# KiCad board SparkFun_GNSS_Flex_Breakout_panelized.kicad_pcb (continued)
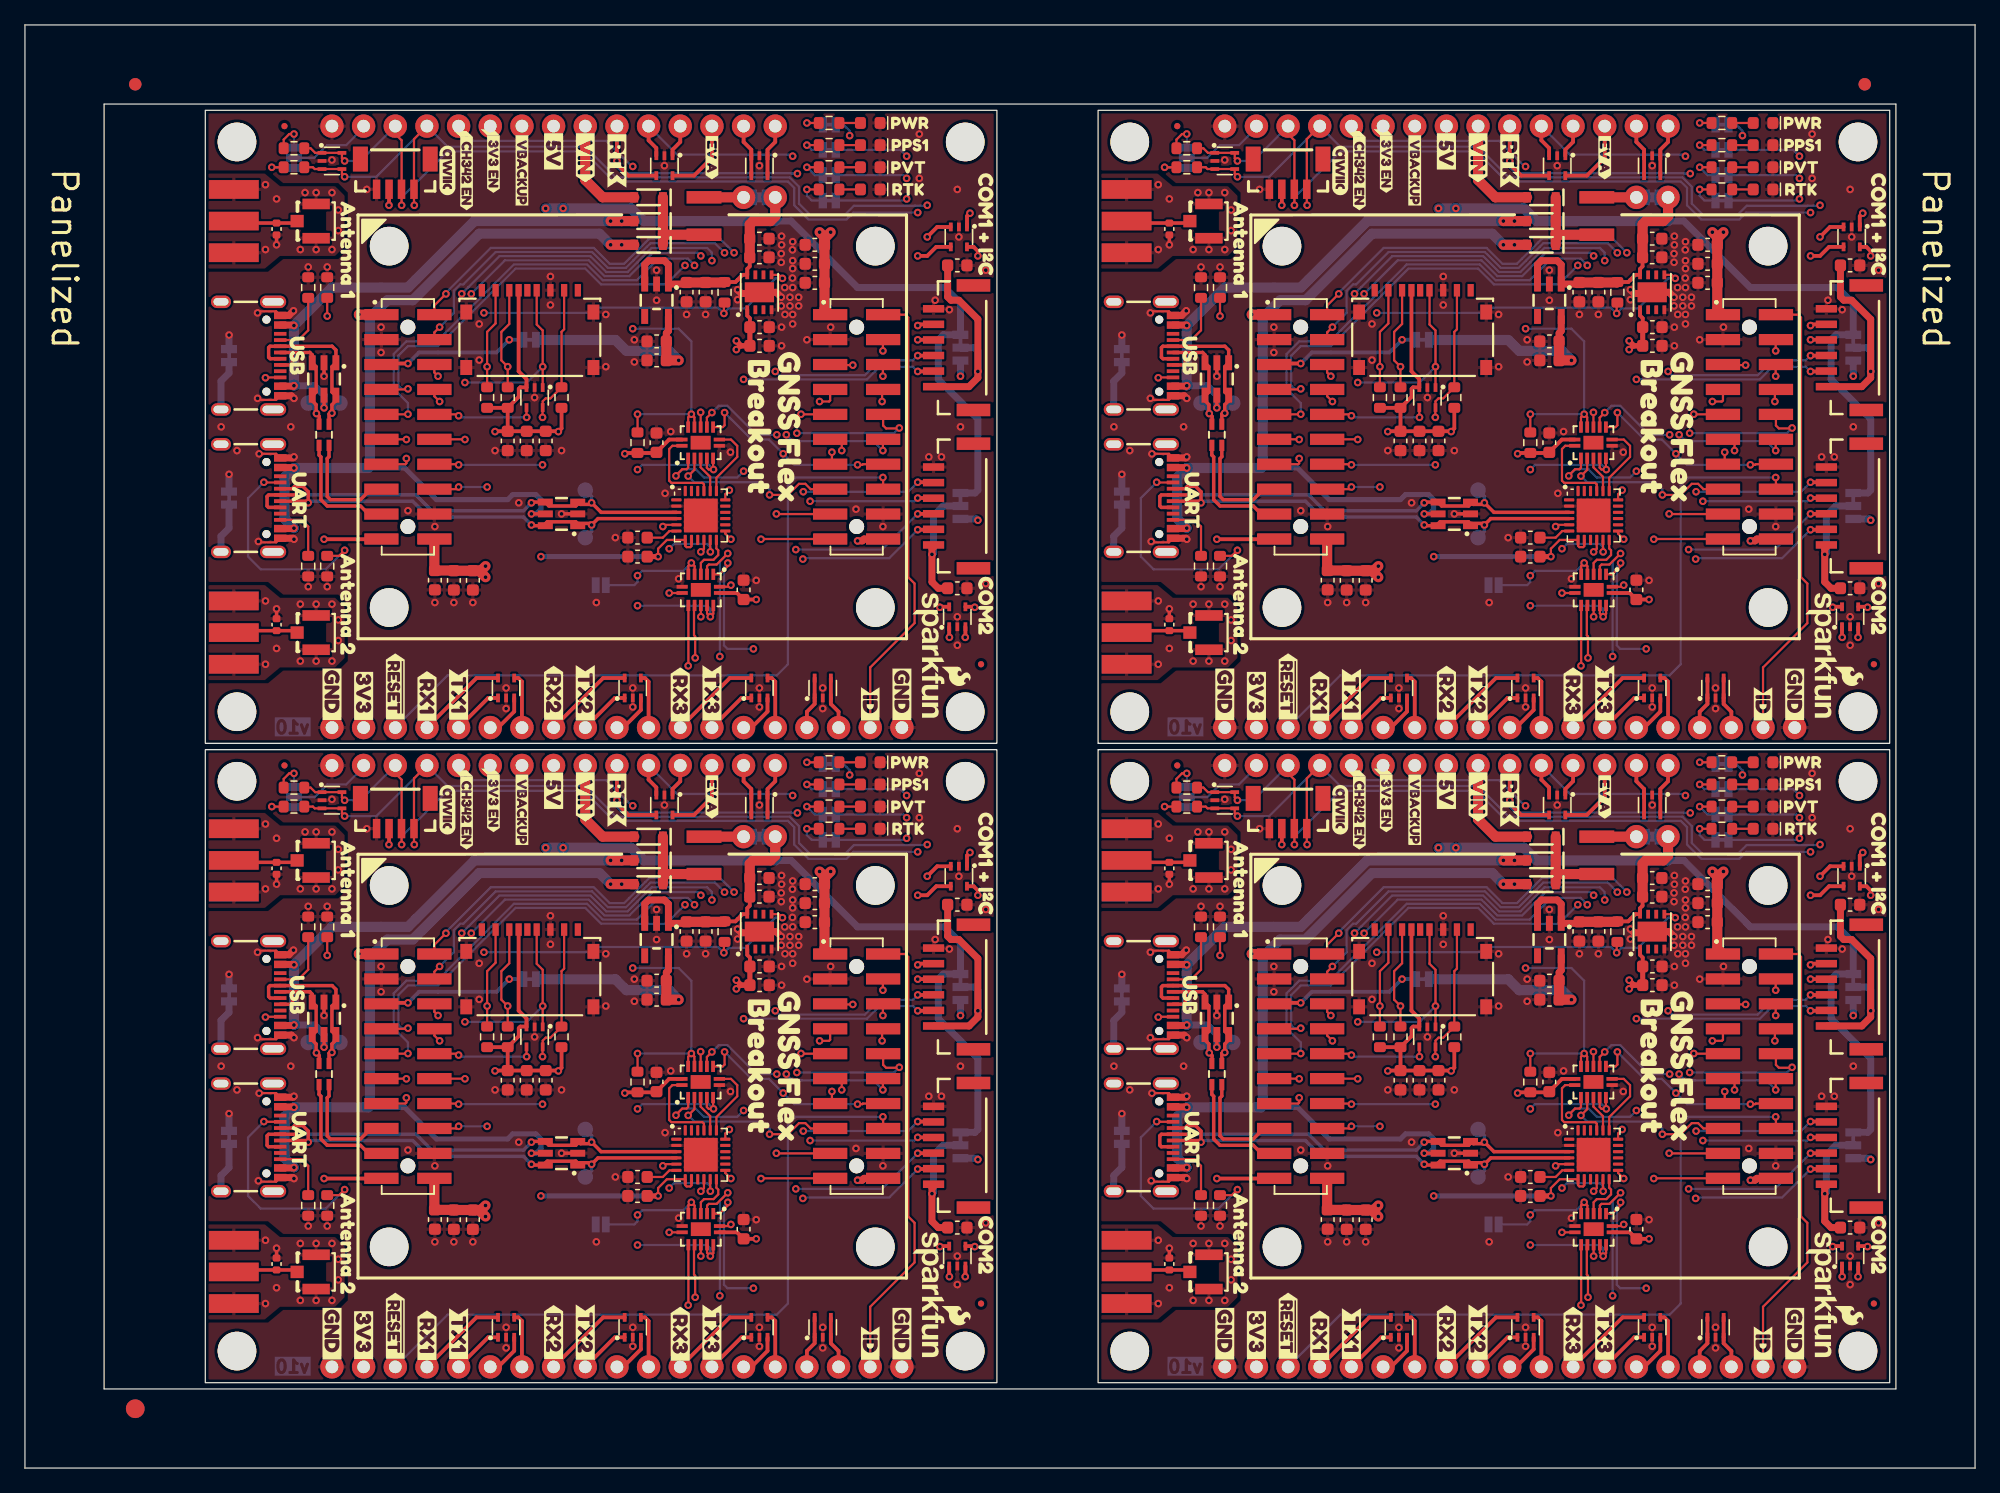
[diagram p0: board, top side]
## Routing (per net, layer and track width the routed paths; a pad name or vN(x,y) marks a point on that pad's centre or on a via; arc(x,y) is an arc through that point) (continued)
USB2_D-: length 152.6
  Top w0.278: J7.A7 22.59,77.59 v1(22.73,77.45) 22.73,78.34 22.29,78.78 21.64,78.78 21.44,78.59 J7.B7 ; U2#3.4 117.59,76.19 v1(117.08,75.68) 116.95,75.8 116.06,75.8 115.97,75.71 D17#4.1 115.97,75.77 115.81,75.93 113.52,75.93 113.36,75.77 D17#4.6 112.31,75.62 v1(112.25,75.68) ; U2#2.4 117.59,24.89 v1(117.08,24.38) 116.95,24.5 116.06,24.5 115.97,24.41 D17#3.1 115.97,24.47 115.81,24.63 113.52,24.63 113.36,24.47 D17#3.6 112.31,24.31 v1(112.25,24.38) ; J7#2.A7 22.59,26.28 v1(22.73,26.15) 22.73,27.04 22.29,27.48 21.64,27.48 21.44,27.28 J7#2.B7 ; J7#4.A7 94.21,77.59 v1(94.34,77.45) 94.34,78.34 93.91,78.78 93.26,78.78 93.06,78.59 J7#4.B7 ; v1(40.63,75.68) 40.69,75.62 D17#2.6 41.74,75.77 41.9,75.93 44.19,75.93 44.35,75.77 D17#2.1 44.35,75.71 44.44,75.8 45.33,75.8 v1(45.46,75.68) 45.97,76.19 U2#4.4 ; J7#3.B7 93.06,27.28 93.26,27.48 93.91,27.48 94.34,27.04 v1(94.34,26.15) 94.21,26.28 J7#3.A7 ; U2.4 45.97,24.89 v1(45.46,24.38) 45.33,24.5 44.44,24.5 44.35,24.41 D17.1 44.35,24.47 44.19,24.63 41.9,24.63 41.74,24.47 D17.6 40.69,24.31 v1(40.63,24.38)
  Bottom w0.278: v1(112.25,75.68) 111.62,76.31 104,76.31 102.73,77.58 94.47,77.58 v1(94.34,77.45) ; v1(117.08,75.68) 117.08,75.17 TP12#3.1 ; v1(22.73,77.45) 22.85,77.58 31.11,77.58 32.38,76.31 40,76.31 v1(40.63,75.68) ; v1(40.63,24.38) 40,25.01 32.38,25.01 31.11,26.28 22.85,26.28 v1(22.73,26.15) ; v1(117.08,24.38) 117.08,23.87 TP12.1 ; TP12#4.1 45.46,23.87 v1(45.46,24.38) ; v1(94.34,26.15) 94.47,26.28 102.73,26.28 104,25.01 111.62,25.01 v1(112.25,24.38) ; TP12#2.1 45.46,75.17 v1(45.46,75.68)
VBACKUP: length 119.2
  Top w0.305: v1(102.35,37.33) 100.3,37.33 J11#2.5 ; v1(30.73,88.63) 28.68,88.63 J11#4.5 ; v1(30.73,37.33) 28.68,37.33 J11.5 ; J11#3.5 100.3,88.63 v1(102.35,88.63)
  L3.Cu w0.305: J3.7 39.87,40.25 v1(38.85,39.23) ; J3#3.7 111.49,91.55 v1(110.47,90.53) ; v1(38.85,90.53) 39.87,91.55 J3#4.7 ; v1(110.47,39.23) 111.49,40.25 J3#2.7
  Bottom w0.305: 111.62,90.52 111.61,90.53 v1(110.47,90.53) 109.46,89.52 103.24,89.52 v1(102.35,88.63) ; v1(30.73,88.63) 31.62,89.52 37.84,89.52 v1(38.85,90.53) 39.99,90.53 40,90.52 ; 40,39.22 39.99,39.23 v1(38.85,39.23) 37.84,38.22 31.62,38.22 v1(30.73,37.33) ; v1(102.35,37.33) 103.24,38.22 109.46,38.22 v1(110.47,39.23) 111.61,39.23 111.62,39.22
VUSB1: length 234.5
  Top w0.278: D21#2.5 v1(24,85.07) ; D21.5 v1(95.62,33.77) ; D21#4.5 v1(24,33.77) ; D21#3.5 v1(95.62,85.07)
  Top w0.305: v1(95.62,74.53) 100.2,74.53 J11#3.19 ; J11.19 28.58,23.23 v1(24,23.23) ; v1(24,74.53) 28.58,74.53 J11#4.19 ; v1(95.62,23.23) 100.2,23.23 J11#2.19
  Top w0.559: J10.VBUS 93.16,35.52 v1(93.2,35.55) ; v1(21.58,40.38) 21.55,40.42 J10#2.VBUS ; v1(93.2,40.38) 93.16,40.42 J10.VBUS ; v1(21.58,91.68) 21.55,91.72 J10#4.VBUS ; v1(21.58,86.85) 21.55,86.81 J10#4.VBUS ; v1(93.2,86.85) 93.16,86.81 J10#3.VBUS ; J10#3.VBUS 93.16,91.72 v1(93.2,91.68) ; v1(21.58,35.55) 21.55,35.52 J10#2.VBUS
  Top w0.813: v1(118.6,100.06) v1(119.49,100.06) D18#2.2 ; v1(46.98,100.06) v1(47.87,100.06) D18#4.2 ; D18#3.2 v1(47.87,48.76) v1(46.98,48.76) ; v1(118.6,48.76) v1(119.49,48.76) D18.2
  L3.Cu w0.278: v1(95.62,33.77) v1(95.62,23.23) ; v1(24,33.77) v1(24,23.23) ; v1(95.62,85.07) v1(95.62,74.53) ; v1(24,85.07) v1(24,74.53)
  Bottom w0.559: v1(93.2,86.85) 94.85,86.85 D21#3.5 v1(95.62,85.07) ; v1(95.62,33.77) D21.5 94.85,35.55 v1(93.2,35.55) ; v1(24,33.77) D21#4.5 23.23,35.55 v1(21.58,35.55) ; v1(24,85.07) D21#2.5 23.23,86.85 v1(21.58,86.85)
  Bottom w0.813: v1(93.2,86.85) v1(93.2,91.68) 96.25,94.73 102.35,94.73 107.68,100.06 v1(118.6,100.06) v1(119.49,100.06) ; v1(21.58,35.55) v1(21.58,40.38) 24.63,43.43 30.73,43.43 36.06,48.76 v1(46.98,48.76) v1(47.87,48.76) ; v1(93.2,35.55) v1(93.2,40.38) 96.25,43.43 102.35,43.43 107.68,48.76 v1(118.6,48.76) v1(119.49,48.76) ; v1(47.87,100.06) v1(46.98,100.06) 36.06,100.06 30.73,94.73 24.63,94.73 v1(21.58,91.68) v1(21.58,86.85)
VUSB2: length 352.1
  Top w0.178: v1(122.41,21.84) 122.41,22.47 123.12,23.18 U2#2.7 124.59,22.7 124.7,22.6 125,22.6 125.09,22.69 U2#2.8 ; U2#3.8 125.09,73.99 125,73.9 124.7,73.9 124.59,74 U2#3.7 123.12,74.48 122.41,73.77 v1(122.41,73.14) ; v1(50.79,21.84) 50.79,22.47 51.5,23.18 U2.7 52.97,22.7 53.08,22.6 53.38,22.6 53.47,22.69 U2.8 ; U2#4.8 53.47,73.99 53.38,73.9 53.08,73.9 52.97,74 U2#4.7 51.5,74.48 50.79,73.77 v1(50.79,73.14)
  Top w0.278: D17.5 v1(40.63,25.27) ; D17#4.5 v1(112.25,76.56) ; D17#3.5 v1(112.25,25.27) ; D17#2.5 v1(40.63,76.56)
  Top w0.406: v1(122.41,21.84) C12.1 ; v1(122.41,73.14) C12#3.1 ; v1(50.79,73.14) C12#2.1 ; v1(50.79,21.84) C12#4.1
  Top w0.559: J7#4.VBUS 93.16,80.28 v1(93.2,80.25) ; v1(93.2,24.12) 93.16,24.09 92.1,24.09 ; v1(21.58,75.42) 21.55,75.39 20.48,75.39 ; v1(21.58,80.25) 21.55,80.28 J7.VBUS ; v1(93.2,75.42) 93.16,75.39 92.1,75.39 ; v1(93.2,28.95) 93.16,28.98 J7#3.VBUS ; v1(21.58,28.95) 21.55,28.98 J7#2.VBUS ; v1(21.58,24.12) 21.55,24.09 20.48,24.09
  Top w0.813: D22#4.2 v1(119.49,46.86) v1(118.6,46.86) ; v1(46.98,46.86) v1(47.87,46.86) D22#3.2 ; D22#2.2 v1(119.49,98.16) v1(118.6,98.16) ; v1(46.98,98.16) v1(47.87,98.16) D22.2
  L3.Cu w0.406: v1(112.25,76.56) 112.76,76.56 113.01,76.31 v1(113.01,73.14) ; v1(41.39,73.14) 41.39,76.31 41.14,76.56 v1(40.63,76.56) ; v1(41.39,21.84) 41.39,25.01 41.14,25.27 v1(40.63,25.27) ; v1(113.01,21.84) 113.01,25.01 112.76,25.27 v1(112.25,25.27)
  Bottom w0.406: v1(40.63,76.56) 41.01,76.56 41.39,76.95 41.39,77.71 40.99,78.12 39.13,78.12 38.73,77.71 33.01,77.71 30.47,80.25 27.55,80.25 ; v1(112.25,76.56) 112.63,76.56 113.01,76.95 113.01,77.71 112.61,78.12 110.75,78.12 110.35,77.71 104.63,77.71 102.09,80.25 99.17,80.25 ; 27.55,28.95 30.47,28.95 33.01,26.41 38.73,26.41 39.13,26.82 40.99,26.82 41.39,26.41 41.39,25.65 41.01,25.27 v1(40.63,25.27) ; v1(113.01,21.84) v1(122.41,21.84) ; v1(113.01,73.14) v1(122.41,73.14) ; v1(41.39,21.84) v1(50.79,21.84) ; 99.17,28.95 102.09,28.95 104.63,26.41 110.35,26.41 110.75,26.82 112.61,26.82 113.01,26.41 113.01,25.65 112.63,25.27 v1(112.25,25.27) ; v1(41.39,73.14) v1(50.79,73.14)
  Bottom w0.813: v1(93.2,24.12) 92.44,24.88 92.44,28.19 v1(93.2,28.95) 99.17,28.95 99.3,29.08 99.3,41.01 100.69,42.41 102.73,42.41 108.06,47.74 117.71,47.74 v1(118.6,46.86) v1(119.49,46.86) ; v1(119.49,98.16) v1(118.6,98.16) 117.71,99.04 108.06,99.04 102.73,93.71 100.69,93.71 99.3,92.31 99.3,80.38 99.17,80.25 v1(93.2,80.25) 92.44,79.49 92.44,76.18 v1(93.2,75.42) ; v1(21.58,75.42) 20.82,76.18 20.82,79.49 v1(21.58,80.25) 27.55,80.25 27.68,80.38 27.68,92.31 29.08,93.71 31.11,93.71 36.44,99.04 46.09,99.04 v1(46.98,98.16) v1(47.87,98.16) ; v1(21.58,24.12) 20.82,24.88 20.82,28.19 v1(21.58,28.95) 27.55,28.95 27.68,29.08 27.68,41.01 29.08,42.41 31.11,42.41 36.44,47.74 46.09,47.74 v1(46.98,46.86) v1(47.87,46.86)
~{RESET}: length 227.1
  Top w0.178: v1(68.83,28.19) 68.84,28.17 J12.16 ; J12#2.16 68.84,79.47 v1(68.83,79.49) ; J12#4.16 140.47,28.17 v1(140.45,28.19) ; J12#3.16 140.47,79.47 v1(140.45,79.49)
  Bottom w0.178: v1(140.45,28.19) 133.46,28.19 132.83,27.55 132.83,13.2 131.94,12.31 105.52,12.31 J4#4.3 ; v1(68.83,28.19) 61.84,28.19 61.21,27.55 61.21,13.2 60.32,12.31 33.9,12.31 J4.3 ; v1(68.83,79.49) 61.84,79.49 61.21,78.85 61.21,64.5 60.32,63.61 33.9,63.61 J4#2.3 ; J4#3.3 105.52,63.61 131.94,63.61 132.83,64.5 132.83,78.85 133.46,79.49 v1(140.45,79.49)
Net-(D2-A): length 6.8
  Top w0.178: R6#4.1 D2#2.2 ; R6#3.1 D2.2 ; R6.1 D2#4.2 ; R6#2.1 D2#3.2
Net-(D3-A): length 6.8
  Top w0.178: R7#2.1 D3.2 ; R7#4.1 D3#3.2 ; R7#3.1 D3#4.2 ; R7.1 D3#2.2
Net-(D5-A): length 6.8
  Top w0.178: R11#2.1 D5#2.2 ; R11#4.1 D5#4.2 ; R11.1 D5.2 ; R11#3.1 D5#3.2
Net-(D6-A): length 6.8
  Top w0.178: R12.1 D6#2.2 ; R12#4.1 D6#4.2 ; R12#3.1 D6#3.2 ; R12#2.1 D6.2
Net-(D9-A2): length 20.8
  Top w0.282: 21.84,48.76 21.68,48.61 D9#2.2 16.91,48.61 J2#3.1 ; J2#4.1 88.53,99.91 D9#3.2 93.3,99.91 J9#2.1 ; J2.1 88.53,48.61 D9#4.2 93.3,48.61 J9.1 ; 21.84,100.06 21.68,99.91 D9.2 16.91,99.91 J2#2.1
Net-(D18-K): length 28.6
  Top w0.813: 51.18,47.74 51.26,47.67 F1#4.1 ; 51.18,47.74 D22#3.1 ; 51.18,47.74 D18#3.1 D19#2.1 ; D19#3.1 D18#2.1 122.8,99.04 ; 122.8,99.04 D22#2.1 ; 122.8,99.04 122.88,98.97 F1.1 ; D19#4.1 D18#4.1 51.18,99.04 ; F1#3.1 122.88,47.67 122.8,47.74 ; 122.8,47.74 D18.1 D19.1 ; 122.8,47.74 D22#4.1 ; D22.1 51.18,99.04 ; 51.18,99.04 51.26,98.97 F1#2.1
Net-(D20-A2): length 20.8
  Top w0.282: J6#2.1 16.91,15.89 D20#3.2 21.68,15.89 21.84,15.74 ; J6#3.1 16.91,67.2 D20#4.2 21.68,67.2 21.84,67.04 ; J8#2.1 93.3,15.89 D20.2 88.53,15.89 J6.1 ; J8#4.1 93.3,67.2 D20#2.2 88.53,67.2 J6#4.1
Net-(D21-I/O1): length 59.8
  Top w0.278: J10#2.A7 19.67,37.72 19.55,37.84 19.55,38.6 19.67,38.72 J10#2.B7 24.64,38.72 24.95,38.41 D21#4.1 24.63,37.08 24.63,35.04 24.88,34.79 D21#4.6 24.95,34.34 24.63,34.03 v1(24.63,33.35) 24.46,33.35 24.4,33.28 TR2#3.1 ; J10#4.A7 19.67,89.02 19.55,89.14 19.55,89.9 19.67,90.02 J10#4.B7 24.64,90.02 24.95,89.71 D21#2.1 24.63,88.38 24.63,86.34 24.88,86.09 D21#2.6 24.95,85.64 24.63,85.33 v1(24.63,84.65) 24.46,84.65 24.4,84.59 TR2#2.1 ; TR2.1 96.02,84.59 96.08,84.65 v1(96.25,84.65) 96.25,84.82 96.25,85.33 96.56,85.64 D21#3.6 96.5,86.09 96.25,86.34 96.25,88.38 D21#3.1 96.56,89.71 96.26,90.02 J10#3.B7 91.28,90.02 91.17,89.9 91.17,89.14 91.29,89.02 J10#3.A7 ; TR2#4.1 96.02,33.28 96.08,33.35 v1(96.25,33.35) 96.25,33.52 96.25,34.03 96.56,34.34 D21.6 96.5,34.79 96.25,35.04 96.25,37.08 D21.1 96.56,38.41 96.26,38.72 J10.B7 91.28,38.72 91.17,38.6 91.17,37.84 91.29,37.72 J10.A7
  Bottom w0.278: v1(24.63,33.35) 24.63,33.52 TP14#2.1 ; TP14#4.1 96.25,33.52 v1(96.25,33.35) ; TP14#3.1 96.25,84.82 v1(96.25,84.65) ; TP14.1 24.63,84.82 v1(24.63,84.65)
Net-(D21-I/O2): length 47.1
  Top w0.278: J10#4.A6 21.46,89.52 ; 21.46,89.52 22.85,89.52 22.85,89.52 23.05,89.33 D21#2.3 23.05,88.69 23.36,88.38 23.36,86.34 23.11,86.09 D21#2.4 23.05,85.64 23.36,85.33 23.36,84.64 v1(23.39,84.62) 23.61,84.39 23.61,83.78 TR2#2.3 ; 21.46,89.52 21.46,88.63 21.34,88.52 J10#4.B6 ; 21.46,38.22 21.46,37.33 21.34,37.22 J10#2.B6 ; 21.46,38.22 J10#2.A6 ; 21.46,38.22 22.85,38.22 22.85,38.22 23.05,38.03 D21#4.3 23.05,37.39 23.36,37.08 23.36,35.04 23.11,34.79 D21#4.4 23.05,34.34 23.36,34.03 23.36,33.34 v1(23.39,33.32) 23.61,33.09 23.61,32.48 TR2#3.3 ; TR2.3 95.23,83.78 95.23,84.39 v1(95.01,84.62) 94.98,84.64 94.98,85.33 94.66,85.64 94.66,86.09 94.73,86.09 94.98,86.34 94.98,88.38 D21#3.3 94.66,88.69 94.66,89.33 94.47,89.52 94.47,89.52 93.08,89.52 ; J10.A6 93.08,38.22 ; 93.08,38.22 93.08,37.33 92.96,37.22 J10.B6 ; 93.08,38.22 94.47,38.22 94.47,38.22 94.66,38.03 94.66,37.39 D21.3 94.98,37.08 94.98,35.04 94.73,34.79 94.66,34.79 94.66,34.34 94.98,34.03 94.98,33.34 v1(95.01,33.32) 95.23,33.09 95.23,32.48 TR2#4.3 ; J10#3.B6 92.96,88.52 93.08,88.63 93.08,89.52 ; 93.08,89.52 J10#3.A6
  Bottom w0.278: v1(23.39,33.32) 23.39,33.49 TP10#4.1 ; v1(95.01,33.32) 95.01,33.49 TP10#2.1 ; TP10#3.1 23.39,84.79 v1(23.39,84.62) ; TP10.1 95.01,84.79 v1(95.01,84.62)
Net-(J5-Pin_1): length 40.6
  Top w0.559: J5#4.1 144.51,73.9 144.38,73.77 v1(144.38,73.32) 144.38,71.1 144.89,70.6 C23.2 ; C23#3.2 73.27,70.6 72.76,71.1 v1(72.76,73.32) 72.76,73.77 72.89,73.9 J5#3.1 ; C23#4.2 73.27,19.3 72.76,19.8 v1(72.76,22.02) 72.76,22.47 72.89,22.6 J5#2.1 ; C23#2.2 144.89,19.3 144.38,19.8 v1(144.38,22.02) 144.38,22.47 144.51,22.6 J5.1
  Bottom w0.559: VOUT2#3.2 145.27,77.2 144.51,76.44 144.51,73.44 v1(144.38,73.32) ; v1(72.76,73.32) 72.89,73.44 72.89,76.44 73.65,77.2 VOUT2.2 ; VOUT2#4.2 145.27,25.9 144.51,25.14 144.51,22.14 v1(144.38,22.02) ; VOUT2#2.2 73.65,25.9 72.89,25.14 72.89,22.14 v1(72.76,22.02)
Net-(J7-CC1): length 72.8
  Top w0.178: R18.2 25.2,73.2 v1(25.65,73.64) ; J7#2.A5 19.19,27.78 v1(19.17,27.81) ; R18#4.2 96.82,73.2 v1(97.27,73.64) ; v1(97.27,22.34) 96.82,21.9 R18#2.2 ; J7.A5 19.19,79.09 v1(19.17,79.11) ; J7#3.A5 90.81,27.78 v1(90.79,27.81) ; R18#3.2 25.2,21.9 v1(25.65,22.34) ; J7#4.A5 90.81,79.09 v1(90.79,79.11)
  Bottom w0.178: v1(97.27,22.34) 95.74,20.82 90.53,20.82 89.52,21.84 89.52,26.53 v1(90.79,27.81) ; v1(25.65,22.34) 24.12,20.82 18.92,20.82 17.9,21.84 17.9,26.53 v1(19.17,27.81) ; v1(97.27,73.64) 95.74,72.12 90.53,72.12 89.52,73.14 89.52,77.84 v1(90.79,79.11) ; v1(25.65,73.64) 24.12,72.12 18.92,72.12 17.9,73.14 17.9,77.84 v1(19.17,79.11)
Net-(J7-CC2): length 19.3
  Top w0.178: J7.B5 22.19,76.09 22.73,75.55 R17.2 ; J7#4.B5 93.81,76.09 94.34,75.55 R17#4.2 ; R17#2.2 22.73,24.25 22.19,24.78 J7#2.B5 ; R17#3.2 94.34,24.25 93.81,24.78 J7#3.B5
Net-(J7-SHIELD): length 16.3
  Bottom w0.559: SHLD2#2.2 16.38,24.12 15.73,23.47 J7#2.S ; J7.S 15.73,74.77 16.38,75.42 SHLD2#4.2 ; J7#4.S 87.34,74.77 88,75.42 SHLD2#3.2 ; J7#3.S 87.34,23.47 88,24.12 SHLD2.2
Net-(J10-CC1): length 20.7
  Top w0.178: J10#4.A5 21.94,90.52 22.73,91.3 22.73,93.9 ; 94.34,93.9 94.34,91.3 93.56,90.52 J10#3.A5 ; R20#2.2 22.73,40 21.94,39.22 J10#2.A5 ; R20#3.2 94.34,40 93.56,39.22 J10.A5
Net-(J10-CC2): length 38.6
  Top w0.178: v1(95.87,92.44) 95.87,93.9 ; v1(19.3,36.19) 19.32,36.22 J10#2.B5 ; J10#4.B5 19.32,87.52 v1(19.3,87.49) ; v1(90.92,87.49) 90.94,87.52 J10#3.B5 ; v1(90.92,36.19) 90.94,36.22 J10.B5 ; v1(24.25,41.14) R19#4.2 ; v1(95.87,41.14) R19#2.2 ; v1(24.25,92.44) 24.25,93.9
  L3.Cu w0.178: v1(19.3,87.49) v1(24.25,92.44) ; v1(90.92,87.49) v1(95.87,92.44) ; v1(90.92,36.19) v1(95.87,41.14) ; v1(19.3,36.19) v1(24.25,41.14)
Net-(J10-SHIELD): length 16.3
  Bottom w0.559: SHLD1#4.2 88,36.57 87.34,35.92 J10.S ; J10#2.S 15.73,35.92 16.38,36.57 SHLD1#2.2 ; J10#3.S 87.34,87.22 88,87.87 SHLD1.2 ; SHLD1#3.2 16.38,87.87 15.73,87.22 J10#4.S
Net-(J13-Pin_1): length 69.6
  Top w0.559: C24#4.2 145.64,93.98 145.91,93.71 146.54,93.71 148.07,92.19 v1(148.07,88) 148.07,87.49 147.35,86.78 J13#4.1 ; J13#3.1 75.73,35.48 76.45,36.19 v1(76.45,36.7) 76.45,40.89 74.92,42.41 74.29,42.41 74.02,42.68 C24#2.2 ; J13#2.1 147.35,35.48 148.07,36.19 v1(148.07,36.7) 148.07,40.89 146.54,42.41 145.91,42.41 145.64,42.68 C24#3.2 ; C24.2 74.02,93.98 74.29,93.71 74.92,93.71 76.45,92.19 v1(76.45,88) 76.45,87.49 75.73,86.78 J13.1
  Bottom w0.559: v1(76.45,36.7) 76.45,38.35 76.19,38.6 VOUT1#4.2 ; v1(148.07,36.7) 148.07,38.35 147.81,38.6 VOUT1#2.2 ; v1(76.45,88) 76.45,89.65 76.19,89.9 VOUT1.2 ; VOUT1#3.2 147.81,89.9 148.07,89.65 v1(148.07,88)
Net-(JP1-A): length 12.7
  Top w0.813: F1#4.2 JP1#4.1 ; F1#3.2 JP1.1 ; F1.2 JP1#2.1 ; F1#2.2 JP1#3.1
Net-(JP2-A): length 11.2
  Top w0.178: R8.1 92.38,55.3 92.82,55.75 v1(93.2,55.75) ; R8#3.1 20.76,55.3 21.2,55.75 v1(21.58,55.75) ; v1(93.2,107.05) 92.82,107.05 92.38,106.6 R8#2.1 ; v1(21.58,107.05) 21.2,107.05 20.76,106.6 R8#4.1
  Bottom w0.178: v1(21.58,107.05) JP2#4.1 ; v1(93.2,55.75) JP2#3.1 ; v1(93.2,107.05) JP2.1 ; v1(21.58,55.75) JP2#2.1
Net-(JP2-C): length 11
  Top w0.178: v1(19.8,53.08) R9.2 ; v1(91.42,104.38) R9#2.2 ; v1(91.42,53.08) R9#3.2 ; v1(19.8,104.38) R9#4.2
  Bottom w0.178: JP2#3.3 91.47,53.03 v1(91.42,53.08) ; v1(19.8,104.38) 19.85,104.33 JP2#4.3 ; JP2#2.3 19.85,53.03 v1(19.8,53.08) ; JP2.3 91.47,104.33 v1(91.42,104.38)
Net-(PPS1-A): length 9.5
  Top w0.178: R12#2.2 v1(62.73,106.16) ; R12.2 v1(62.73,54.86) ; R12#4.2 v1(134.35,54.86) ; R12#3.2 v1(134.35,106.16)
  Bottom w0.178: v1(134.35,106.16) 134.73,105.78 PPS1#3.1 ; v1(134.35,54.86) 134.73,54.48 PPS1#4.1 ; PPS1.1 63.11,54.48 v1(62.73,54.86) ; PPS1#2.1 63.11,105.78 v1(62.73,106.16)
Net-(PVT1-A): length 9.9
  Top w0.178: R7.2 v1(134.35,104.38) ; R7#3.2 v1(62.73,53.08) ; R7#4.2 v1(62.73,104.38) ; R7#2.2 v1(134.35,53.08)
  Bottom w0.178: PVT1#3.1 63.37,52.44 v1(62.73,53.08) ; v1(134.35,104.38) 134.99,103.74 PVT1#4.1 ; v1(134.35,53.08) 134.99,52.44 PVT1.1 ; PVT1#2.1 63.37,103.74 v1(62.73,104.38)
Net-(PWR1-A): length 9.1
  Top w0.178: R6.2 v1(62.73,107.93) ; R6#4.2 v1(62.73,56.63) ; R6#2.2 v1(134.35,107.93) ; R6#3.2 v1(134.35,56.63)
  Bottom w0.178: v1(134.35,107.93) 135.48,107.93 PWR1#4.1 ; PWR1#3.1 135.48,56.63 v1(134.35,56.63) ; v1(62.73,107.93) 63.86,107.93 PWR1.1 ; PWR1#2.1 63.86,56.63 v1(62.73,56.63)
Net-(RTK1-A): length 11.6
  Top w0.178: R11.2 v1(62.73,102.6) ; R11#4.2 v1(62.73,51.3) ; R11#3.2 v1(134.35,51.3) ; R11#2.2 v1(134.35,102.6)
  Bottom w0.178: v1(134.35,51.3) 134.35,50.79 134.73,50.41 RTK1.1 ; v1(62.73,102.6) 62.73,102.09 63.11,101.71 RTK1#4.1 ; v1(62.73,51.3) 62.73,50.79 63.11,50.41 RTK1#2.1 ; v1(134.35,102.6) 134.35,102.09 134.73,101.71 RTK1#3.1
Net-(U1-VOUT): length 66.6
  Top w0.559: C21#4.1 51.45,91.07 51.62,91.24 U1#4.5 ; C21#2.1 51.45,39.77 51.62,39.94 U1.5 ; U1#3.5 123.24,39.94 123.07,39.77 C21#3.1 ; U1#2.5 123.24,91.24 123.07,91.07 C21.1
  Top w0.813: v1(52.44,37.58) C22.1 C21#2.1 ; v1(124.06,37.58) C22#3.1 C21#3.1 ; C21#4.1 C22#4.1 v1(52.44,88.88) ; v1(124.06,88.88) C22#2.1 C21.1
  Bottom w0.813: v1(52.44,88.88) 51.68,89.65 48.25,89.65 47.38,90.52 41.05,90.52 ; v1(124.06,37.58) 123.3,38.35 119.87,38.35 119,39.22 112.67,39.22 ; 112.67,90.52 119,90.52 119.87,89.65 123.3,89.65 v1(124.06,88.88) ; v1(52.44,37.58) 51.68,38.35 48.25,38.35 47.38,39.22 41.05,39.22
Net-(U2-RXD0): length 11.8
  Top w0.178: U2#4.20 54.97,79.54 54.21,80.3 U3#4.4 ; U3.4 125.83,80.3 126.59,79.54 U2#3.20 ; U2.20 54.97,28.24 54.21,29 U3#3.4 ; U2#2.20 126.59,28.24 125.83,29 U3#2.4
Net-(U2-RXD1): length 15.4
  Top w0.178: U5#3.4 125.84,21.33 126.09,21.58 126.86,21.58 127.24,21.96 127.24,22.34 127.09,22.49 U2#2.12 ; U5.4 125.84,72.63 126.09,72.88 126.86,72.88 127.24,73.26 127.24,73.64 127.09,73.79 U2#3.12 ; U5#2.4 54.22,21.33 54.47,21.58 55.24,21.58 55.62,21.96 55.62,22.34 55.47,22.49 U2.12 ; U2#4.12 55.47,73.79 55.62,73.64 55.62,73.26 55.24,72.88 54.47,72.88 54.22,72.63 U5#4.4
Net-(U2-TXD0): length 28.5
  Top w0.178: U2#2.21 126.09,27.63 125.97,27.75 123.48,27.75 123.3,27.93 123.3,30.47 123.56,30.73 U3#2.1 ; U3#4.1 51.94,82.03 51.68,81.77 51.68,79.23 51.86,79.05 54.35,79.05 54.47,78.93 U2#4.21 ; U3.1 123.56,82.03 123.3,81.77 123.3,79.23 123.48,79.05 125.97,79.05 126.09,78.93 U2#3.21 ; U2.21 54.47,27.63 54.35,27.75 51.86,27.75 51.68,27.93 51.68,30.47 51.94,30.73 U3#3.1
Net-(U2-TXD1): length 23.2
  Top w0.178: U2#3.13 127.8,74.98 v1(128.25,74.53) ; v1(128.25,23.23) 127.8,23.68 U2#2.13 ; v1(56.63,74.53) 56.18,74.98 U2#4.13 ; v1(128.25,19.55) 128.12,19.42 U5#3.1 ; U2.13 56.18,23.68 v1(56.63,23.23) ; v1(56.63,19.55) 56.5,19.42 U5#2.1 ; U5.1 128.12,70.72 v1(128.25,70.85) ; v1(56.63,70.85) 56.5,70.72 U5#4.1
  L3.Cu w0.178: v1(128.25,74.53) 128.64,74.15 128.64,71.23 v1(128.25,70.85) ; v1(56.63,23.23) 57.02,22.85 57.02,19.93 v1(56.63,19.55) ; v1(56.63,70.85) 57.02,71.23 57.02,74.15 v1(56.63,74.53) ; v1(128.25,23.23) 128.64,22.85 128.64,19.93 v1(128.25,19.55)
Net-(U2-V3): length 10.2
  Top w0.178: U2.6 51.7,23.89 51.17,23.36 C11#3.1 ; C11#4.1 122.79,23.36 123.32,23.89 U2#2.6 ; C11.1 51.17,74.66 51.7,75.19 U2#4.6 ; U2#3.6 123.32,75.19 122.79,74.66 C11#2.1
Net-(U2-~{CTS0}): length 37.2
  Top w0.178: v1(54.21,33.42) 54.21,32.23 U3#3.11 ; U2#4.18 56.18,78.15 v1(56.51,78.47) ; v1(128.13,27.17) 127.8,26.85 U2#2.18 ; U2.18 56.18,26.85 v1(56.51,27.17) ; U3#2.11 125.83,32.23 v1(125.83,33.42) ; U2#3.18 127.8,78.15 v1(128.13,78.47) ; U3.11 125.83,83.53 v1(125.83,84.72) ; v1(54.21,84.72) 54.21,83.53 U3#4.11
  L3.Cu w0.178: v1(54.21,84.72) 54.21,82.29 56.25,80.25 56.25,78.72 v1(56.51,78.47) ; v1(125.83,84.72) 125.83,82.29 127.87,80.25 127.87,78.72 v1(128.13,78.47) ; v1(56.51,27.17) 56.25,27.42 56.25,28.95 54.21,30.99 v1(54.21,33.42) ; v1(128.13,27.17) 127.87,27.42 127.87,28.95 125.83,30.99 v1(125.83,33.42)
Net-(U2-~{CTS1}): length 28.7
  Top w0.178: U2#2.10 126.09,22.47 v1(125.84,22.22) ; v1(54.22,73.52) 54.47,73.77 U2#4.10 ; v1(54.22,17.01) U5#2.11 ; v1(54.22,22.22) 54.47,22.47 U2.10 ; v1(125.84,68.31) U5.11 ; U2#3.10 126.09,73.77 v1(125.84,73.52) ; v1(54.22,68.31) U5#4.11 ; v1(125.84,17.01) U5#3.11
  L3.Cu w0.178: v1(54.22,73.52) v1(54.22,68.31) ; v1(125.84,73.52) v1(125.84,68.31) ; v1(125.84,22.22) v1(125.84,17.01) ; v1(54.22,22.22) v1(54.22,17.01)
Net-(U2-~{RTS0}): length 23.9
  Top w0.178: U2#2.19 127.09,28.17 128.76,29.84 128.76,30.73 128.26,31.23 U3#2.8 ; U2.19 55.47,28.17 57.14,29.84 57.14,30.73 56.64,31.23 U3#3.8 ; U2#3.19 127.09,79.47 128.76,81.14 128.76,82.03 128.26,82.53 U3.8 ; U3#4.8 56.64,82.53 57.14,82.03 57.14,81.14 55.47,79.47 U2#4.19
Net-(U2-~{RTS1}): length 38
  Top w0.178: U5#2.8 52.72,18.92 v1(51.68,18.92) ; U5#4.8 52.72,70.22 v1(51.68,70.22) ; U5#3.8 124.34,18.92 v1(123.3,18.92) ; U5.8 124.34,70.22 v1(123.3,70.22) ; U2#3.11 126.59,73.53 v1(126.6,73.52) ; U2#2.11 126.59,22.23 v1(126.6,22.22) ; v1(54.98,22.22) 54.97,22.23 U2.11 ; v1(54.98,73.52) 54.97,73.53 U2#4.11
  L3.Cu w0.178: v1(123.3,22.47) v1(123.3,18.92) ; v1(123.3,73.77) v1(123.3,70.22) ; v1(51.68,22.47) v1(51.68,18.92) ; v1(51.68,73.77) v1(51.68,70.22)
  Bottom w0.178: v1(51.68,73.77) 52.06,74.15 54.73,74.15 54.98,73.9 v1(54.98,73.52) ; v1(126.6,22.22) 126.6,22.6 126.35,22.85 123.68,22.85 v1(123.3,22.47) ; v1(123.3,73.77) 123.68,74.15 126.35,74.15 126.6,73.9 v1(126.6,73.52) ; v1(51.68,22.47) 52.06,22.85 54.73,22.85 54.98,22.6 v1(54.98,22.22)

## Copper pours and planes (outline as drawn; the poured copper is in the pictures)
3.3V on L3.Cu: 86.09,6.85 86.09,57.65 149.59,57.65 149.59,6.85
3.3V on L3.Cu: 14.47,58.15 14.47,108.95 77.97,108.95 77.97,58.15
3.3V on L3.Cu: 14.47,6.85 14.47,57.65 77.97,57.65 77.97,6.85
3.3V on L3.Cu: 86.09,58.15 86.09,108.95 149.59,108.95 149.59,58.15
GND on Top, Bottom, L2.Cu: 86.09,6.85 86.09,57.65 149.59,57.65 149.59,6.85
GND on Top, Bottom, L2.Cu: 14.47,6.85 14.47,57.65 77.97,57.65 77.97,6.85
GND on Top, Bottom, L2.Cu: 86.09,58.15 86.09,108.95 149.59,108.95 149.59,58.15
GND on Top, Bottom, L2.Cu: 14.47,58.15 14.47,108.95 77.97,108.95 77.97,58.15

## Text on the board
Bottom: v10
V-score: V-SCORE | ROUTE OUT
Fab.Info: Layers: 4 | Solder Mask: Red | Silkscreen Color: White | Thickness: 1.6mm | Finish: ENIG | Controlled Impedance: JLC04161H-7628 | Material: TG135 | No Clean Process | Outer Copper Weight: 1oz | Inner Copper Weight: 0.5oz | Ordering Notes
F.Silkscreen: Panelized
Design.Info: Max Height 2.5mm
